# Altium PCB Freezer_Power.PcbDoc (part 2 of 3)
Units mm, origin at the board's own origin, x right, y up, seen from the top; angles counter-clockwise.
Board outline 105 x 115 mm, 6 copper layers (Top Layer, Layer 1, Layer 2, Layer 3, Layer 4, Bottom Layer), stack 1.611 mm thick; 312 components, 161 nets, 807 pads, 469 vias.
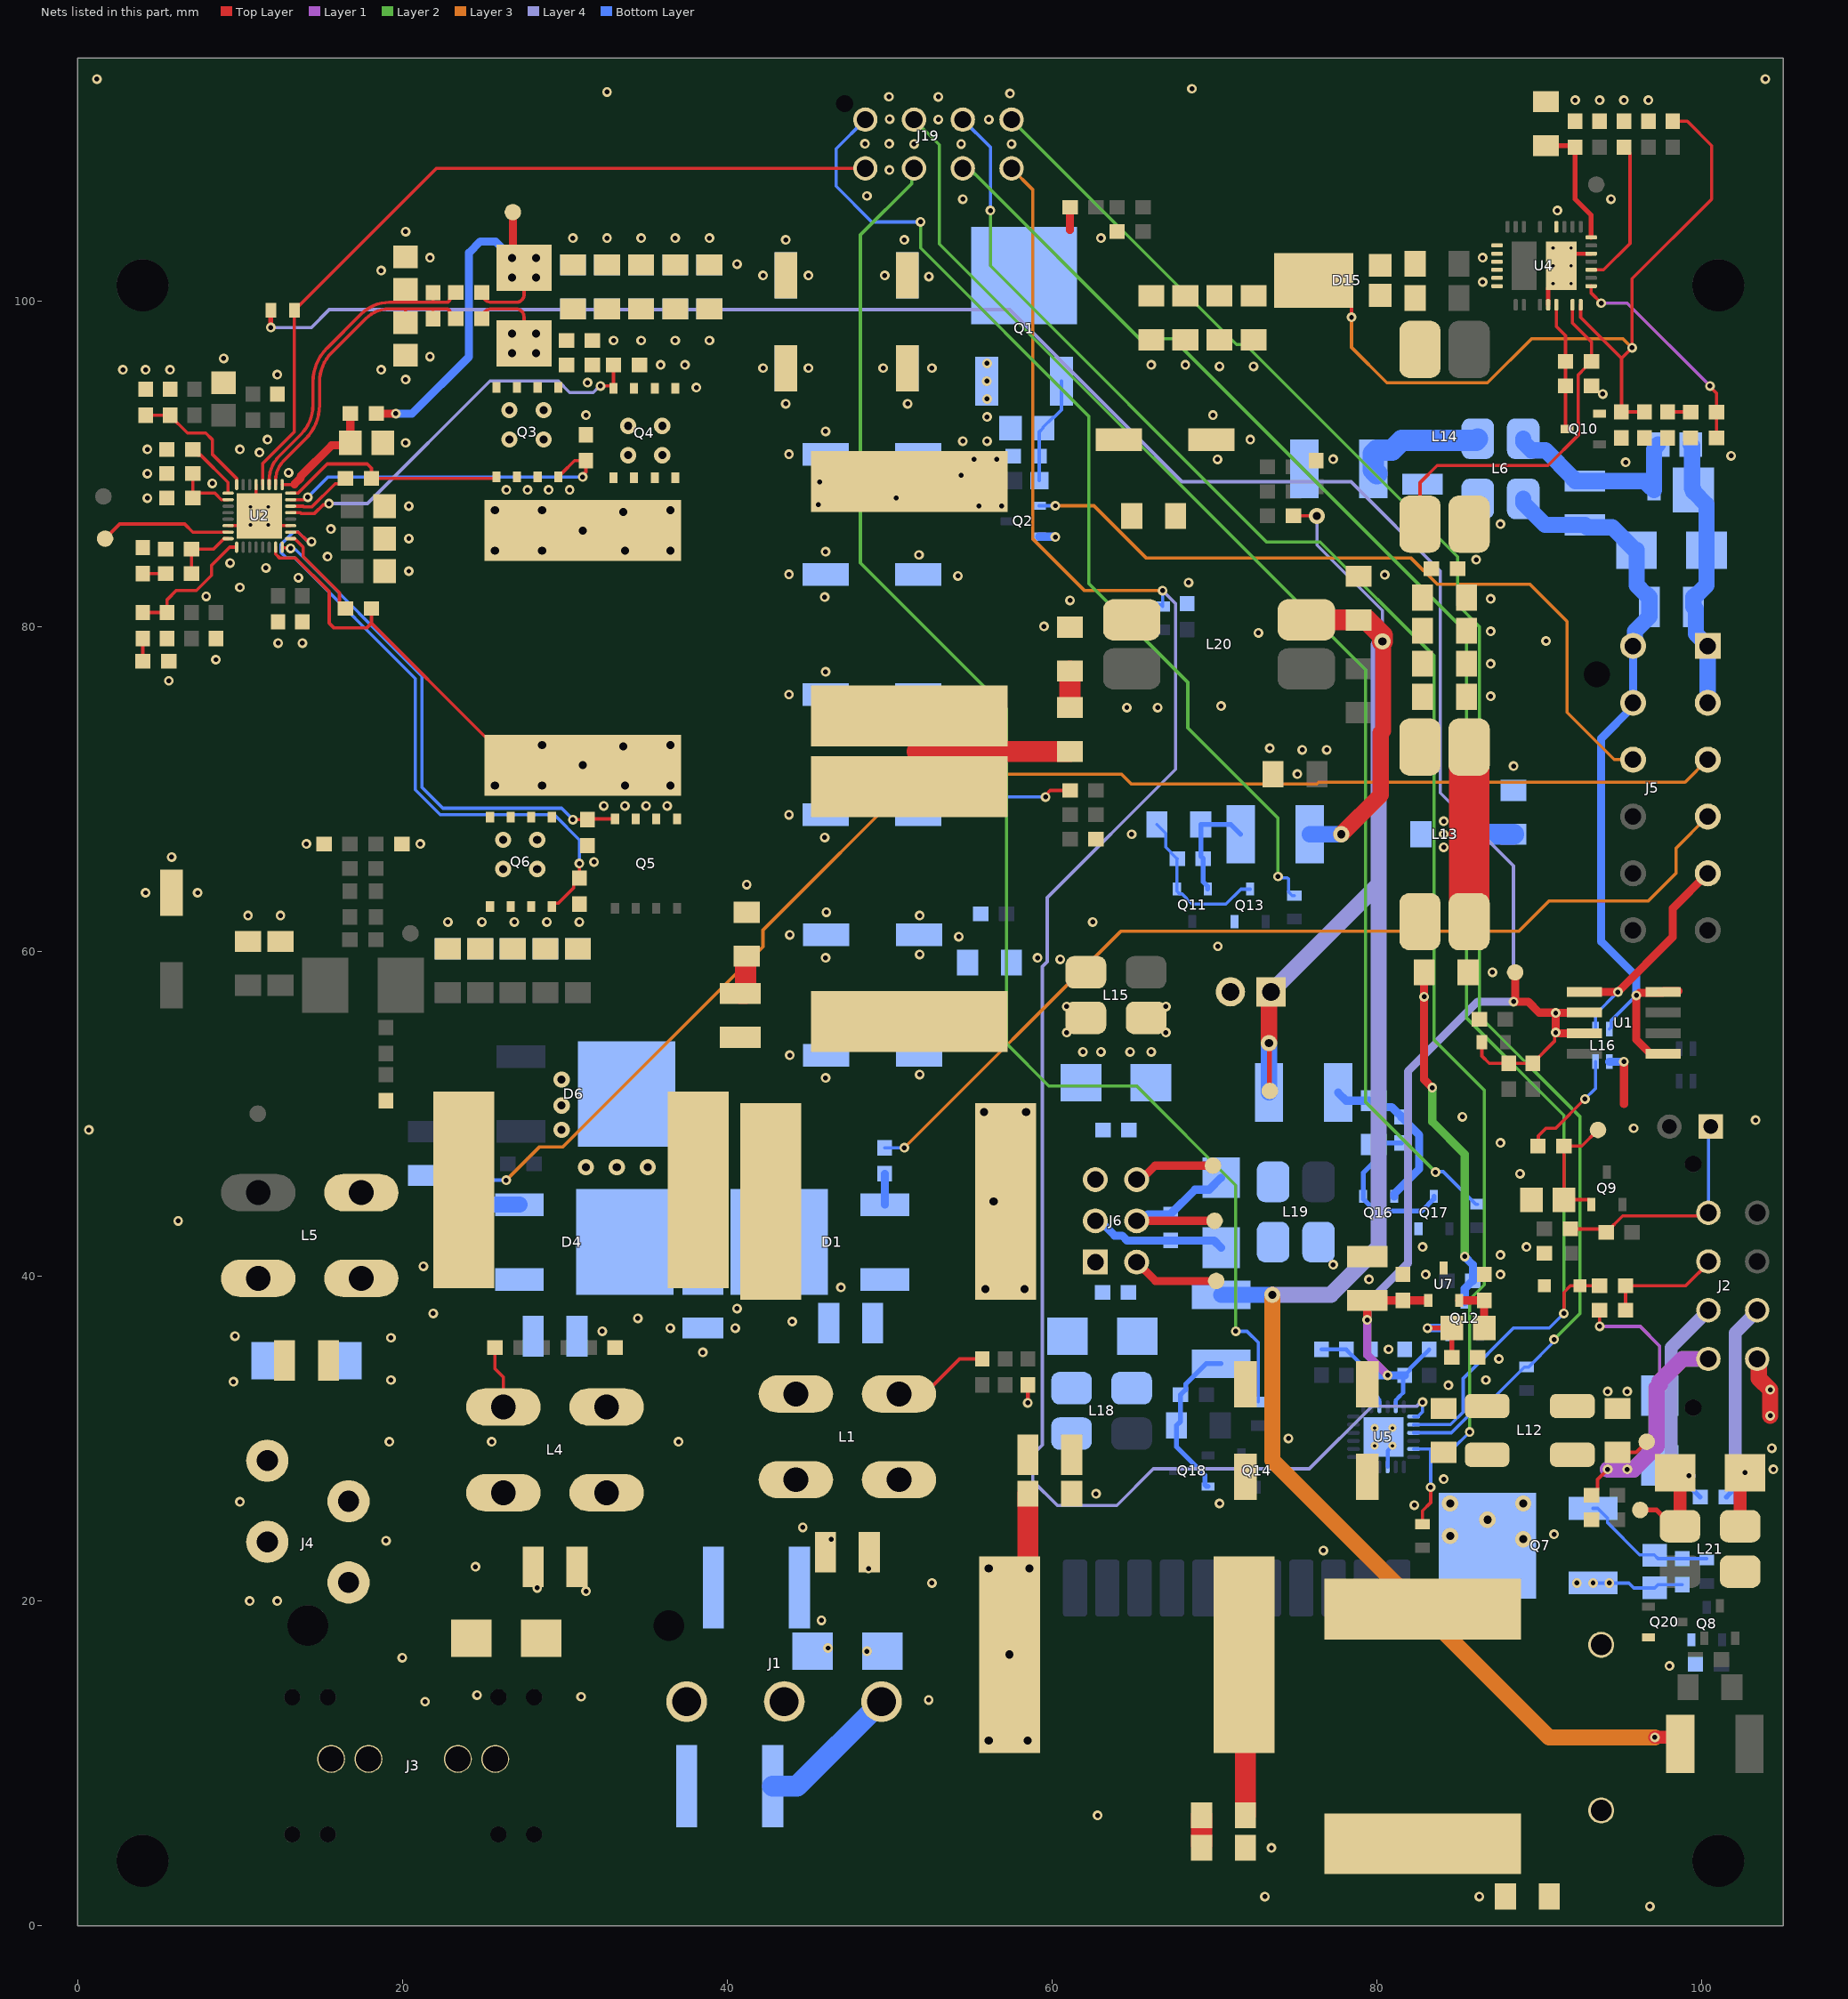
[diagram p6: the nets of this part, all layers, seen from the top]

## Part data
C1 C2 C7 C8 C9 C10 C11 C12 C14 C18 C19 C20 C121: library part NS00779, "MLCC 10UF 100V X7S 1210", Supplier Part Number 1=1276-CL32Y106KCVZNWECT-ND, Alternatives=Generic, Part Number=NS00779, Supplier 1=Digi-Key, Type=C
C3 C4 C5 C6 C15 C23 C24 C25 C66 C81 C82 C92 C129 C130: library part NS00911, "CAP ALUM 100UF 20% 35V SMD", Supplier Part Number 1=PCE5051CT-ND, Alternatives=Generic, Part Number=NS00911, Supplier 1=Digi-Key, Type=C
C13 C26 C27 C28 C29 C30 C31 C32 C33 C34 C35 C36 C37 C48 C49 C50 C51 C52 C53 C54 C55 C56 C57 C67 C68 C83 C84 C85 C86 C87 C91 C93 C94 C95 C96 C97 C98 C99 C100 C101 C102 C103 C108 C127 C128 C131: library part NS00832, "CAP CER 10UF 50V X7R 1206", Supplier Part Number 1=1276-6767-1-ND, Alternatives=Generic, Part Number=NS00832, Supplier 1=Digi-Key, Type=C
C16 C17: library part NS00768, "CAP CER 4700PF 250VAC X7R 2220", Supplier Part Number 1=2873-SCC2220X472K502TGCT-ND, Alternatives=Generic, Part Number=NS00768, Supplier 1=Digi-Key, Type=C
C21 C22 C123: library part Cap, "CAP CER 10UF 50V X7R 1206", Part Number=NS00832, Supplier Part Number 1=1276-6767-1-ND, Alternatives=Generic, Supplier 1=Digi-Key, Type=C
C38 C43 C44 C45 C59 C63 C88: library part NS00871, "CAP CER 1UF 50V X7R 0805", Supplier Part Number 1=1276-6470-1-ND, Alternatives=Generic, Part Number=NS00871, Supplier 1=Digi-Key, Type=C
C39 C46 C60 C75 C104 C105 C107 C109: library part NS00848, "CAP CER 10000PF 100V C0G 0603", Supplier Part Number 1=445-172665-1-ND, Alternatives=Generic, Part Number=NS00848, Supplier 1=Digi-Key, Type=C
C40 C47: library part NS00847, "CAP CER 1000PF 100V C0G/NP0 0603", Supplier Part Number 1=732-12187-1-ND, Alternatives=Generic, Part Number=NS00847, Supplier 1=Digi-Key, Type=C
C41 C42 C58 C61 C71 C72 C110: library part NS00840, "CAP CER 100PF 50V C0G/NP0 0603", Supplier Part Number 1=478-1175-1-ND, Alternatives=Generic, Part Number=NS00840, Supplier 1=Digi-Key, Type=C
C62 C111 C113 C114 C118 C119 C120 C132: library part NS00838, "CAP CER 0.1UF 50V X7R 0603", Supplier Part Number 1=1276-1935-1-ND, Alternatives=Generic, Part Number=NS00838, Supplier 1=Digi-Key, Type=C
C64 C65: library part NS00800, "CAP CER 0.033UF 100V C0G 0805", Supplier Part Number 1=445-172691-1-ND, Alternatives=Generic, Part Number=NS00800, Supplier 1=Digi-Key, Type=C
C69 C70: library part NS00804, "CAP CER 0.047UF 50V X7R 0603", Supplier Part Number 1=1276-1063-1-ND, Alternatives=Generic, Part Number=NS00804, Supplier 1=Digi-Key, Type=C
C73 C74 C76: library part NS00895, "CAP CER 0.068UF 50V X7R 0603", Supplier Part Number 1=1276-6541-1-ND, Alternatives=Generic, Part Number=NS00895, Supplier 1=Digi-Key, Type=C
C77: library part NS00931, "CAP CER 33PF 100V C0G/NP0 0603", Supplier Part Number 1=399-15919-1-ND, Alternatives=Generic, Part Number=NS00931, Supplier 1=Digi-Key, Type=C
C78: library part NS00932, "CAP CER 15PF 100V C0G/NP0 0603", Supplier Part Number 1=1276-CL10C150JC81PNCCT-ND, Alternatives=Generic, Part Number=NS00932, Supplier 1=Digi-Key, Type=C
C79: library part NS00933, "CAP CER 680PF 100V C0G 0603", Supplier Part Number 1=445-5734-1-ND, Alternatives=Generic, Part Number=NS00933, Supplier 1=Digi-Key, Type=C
C80: library part NS00930, "CAP CER 4700PF 100V C0G 0603", Supplier Part Number 1=445-172684-1-ND, Alternatives=Generic, Part Number=NS00930, Supplier 1=Digi-Key, Type=C
C89 C122 C124: library part Cap, "CAP CER 0.1UF 50V X7R 0603", Part Number=NS00838, Supplier Part Number 1=1276-1935-1-ND, Alternatives=Generic, Supplier 1=Digi-Key, Type=C
C90: library part NS00353, "0.10µF ±10% 50V Ceramic Capacitor X7R 0805 (2012 Metric)", Supplier Part Number 1=478-1395-1-ND, Alternatives=Generic, Part Number=NS00353, Supplier 1=Digi-Key, Type=C
C106: library part NS00836, "CAP CER 1UF 25V X7R 0603", Supplier Part Number 1=1276-1184-1-ND, Alternatives=Generic, Part Number=NS00836, Supplier 1=Digi-Key, Type=C
D1 D4 D6: library part NS00785, "DIODE SCHOTTKY 100V 30A TO252", Supplier Part Number 1=SDT30B100D1-13DICT-ND, ComponentLink1Description=Datasheet, ComponentLink1URL=H:\Doc\Diodes\SDT30B100D1.pdf, Part Number=NS00785, Supplier 1=Digi-Key, Type=Diode
D2 D5 D7 D8: library part NS00890, "TVS DIODE 28VWM 45.4VC SMB", Supplier Part Number 1=SMBJ28CAQ-13-FDICT-ND, ComponentLink1Description=Datasheet, ComponentLink1URL=H:\Doc\Diodes\SMBJ6.5CAQ-SMBJ100CAQ.pdf, Part Number=NS00890, Supplier 1=Digi-Key, Type=Diode
D3 D9 D11 D12 D13 D24 D25 D26: library part NS00945, "LED RED CLEAR 1608 SMD", Supplier Part Number 1=3147-B1911USD-20D000114U1930CT-ND, ComponentLink1Description=Datasheet, ComponentLink1URL=H:\Doc\Harvatek\B1911USD-20D000114U1930.pdf, Part Number=NS00945, Supplier 1=Digi-Key, Type=IC
D10 D27: library part NS00891, "TVS DIODE 28VWM 45.4VC SMB", Supplier Part Number 1=SMBJ28A-FDICT-ND, ComponentLink1Description=Datasheet, ComponentLink1URL=H:\Doc\Diodes\ds19002-2.pdf, Part Number=NS00891, Supplier 1=Digi-Key, Type=Diode
D14: library part NS00914, "DIODE ZENER 3V 300MW SOD323", Supplier Part Number 1=MM3Z3V0ST1GOSCT-ND, ComponentLink1Description=Datasheet, ComponentLink1URL=H:\Doc\ONsemi\MM3Z2V4ST1-D.PDF, Part Number=NS00914, Supplier 1=Digi-Key, Type=Diode
D15: library part NS00833, "DIODE SBR 50V 10A POWERDI5", Supplier Part Number 1=SBR10E45P5-7DICT-ND, ComponentLink1Description=Datasheet, ComponentLink1URL=H:\Doc\Diodes\SBRT10U50SP5.pdf, Part Number=NS00833, Supplier 1=Digi-Key, Type=Diode
D17 D18 D19: library part DiodeZener, "TVS DIODE 28VWM 45.4VC SMB", Part Number=NS00891, Supplier Part Number 1=SMBJ28A-FDICT-ND, ComponentLink1Description=Datasheet, ComponentLink1URL=H:\Doc\Diodes\ds19002-2.pdf, Supplier 1=Digi-Key, Type=Diode
D20: library part NS00857, "SCHOTTKY RECTIFIER 3A 100V SMP", Supplier Part Number 1=112-V3PM10-M3/HCT-ND, ComponentLink1Description=Datasheet, ComponentLink1URL=H:\Doc\Vishay\v3pm10.pdf, Part Number=NS00857, Supplier 1=Digi-Key, Type=Diode
F1: library part NS00921, "PTC RESET FUSE 32V 10A RADIAL", Supplier Part Number 1=507-0ZRS1000FF1A-ND, Alternatives=Generic, Part Number=NS00921, Supplier 1=Digi-Key, Type=Fuse
F2: library part NS00949, "PTC RESET FUSE 33V 750MA 1812", Supplier Part Number 1=283-3153-1-ND, Alternatives=Generic, Part Number=NS00949, Supplier 1=Digi-Key, Type=Fuse
F3 F4 F5: library part Fuse, "PTC RESET FUSE 24V 1.5A 1812", Part Number=NS00950, Supplier Part Number 1=507-1773-1-ND, Alternatives=Generic, Supplier 1=Digi-Key, Type=Fuse
F6: library part NS00950, "PTC RESET FUSE 24V 1.5A 1812", Supplier Part Number 1=507-1773-1-ND, Alternatives=Generic, Part Number=NS00950, Supplier 1=Digi-Key, Type=Fuse
FB1: library part NS00881, "WE-CBA SMT EMI SUPPRESSION FERRITE", Supplier Part Number 1=732-782853162CT-ND, ComponentLink1Description=Datasheet, ComponentLink1URL=H:\Doc\Wurth\782853162.pdf, Part Number=NS00881, Supplier 1=Digi-Key, Type=Inductor
J1: library part NS00900, "CONN HEADER VERT 3POS 6MM", Supplier Part Number 1=A120938-ND, ComponentLink1Description="Product Spec", ComponentLink1URL=H:\Doc\Tyco\ENG_SS_108-32090_E.pdf, ComponentLink2Description="Application Spec", ComponentLink2URL=H:\Doc\Tyco\ENG_SS_114-32136_D.pdf, ComponentLink3Description=Drawing, ComponentLink3URL=H:\Doc\Tyco\ENG_CD_1969688_C.pdf, Part Number=NS00900, Supplier 1=Digi-Key, Type=Connector
J2: library part "Header 4X2", "Connector Header Through Hole 8 position 0.118\" (3.00mm)", Supplier Part Number 1=WM10684-ND, LatestRevisionDate=17-Jul-2002, LatestRevisionNote="Re-released for DXP Platform.", Publisher="Altium Limited", Supplier 1=Digi-Key
J3: library part NS00791, "CONN HEADER 2POS PCB", Supplier Part Number 1=A105511CT-ND, ComponentLink1Description=Datasheet, ComponentLink1URL=H:\Doc\Tyco\ENG_SS_108-19346_H1.pdf, ComponentLink2Description=Drawing, ComponentLink2URL=H:\Doc\Tyco\ENG_CD_2042274_D.pdf, ComponentLink3Description="Application Specification", ComponentLink3URL=H:\Doc\Tyco\ENG_SS_114-19110_C.pdf, Part Number=NS00791, Supplier 1=Digi-Key, Type=Connector
J4: library part NS00788, "CONN HEADER VERT 2POS 5MM", Supplier Part Number 1=A117216-ND, ComponentLink1Description=Datasheet, ComponentLink1URL=H:\Doc\Tyco\ENG_CD_1971845_B1.pdf, Part Number=NS00788, Supplier 1=Digi-Key, Type=Connector
J5: library part NS00894, "CONN HEADER VERT 12POS 3.5MM", Supplier Part Number 1=WM11767-ND, ComponentLink1Description=Datasheet, ComponentLink1URL=H:\Doc\Molex\1722982212_PCB_HEADERS.pdf, ComponentLink2Description="Application Specification", ComponentLink2URL=H:\Doc\Molex\AS-172323-0001-001.pdf, ComponentLink3Description=Drawing, ComponentLink3URL=H:\Doc\Molex\1722982212_sd.pdf, Part Number=NS00894, Supplier 1=Digi-Key, Type=Connector
J6: library part NS00897, "CONN HEADER VERT 6POS 2.54MM", Supplier Part Number 1=SAM9594-ND, ComponentLink1Description=Datasheet, ComponentLink1URL=H:\Doc\Samtec\100_mini_mate.pdf, ComponentLink2Description=Dimensions, ComponentLink2URL=H:\Doc\Samtec\ipl1.pdf, Part Number=NS00897, Supplier 1=Digi-Key, Type=Connector
J7 J8 J9 J10 J11 J12 J13 J14 J15 J16 J17: library part NS00465, "PAD SOLDER 1.5x3.5MM", Part Number=NS00465, Type=Mechanical
J18: "Header, 2-Pin", Supplier Part Number 1=455-B2B-XH-A-ND, LatestRevisionDate=17-Jul-2002, LatestRevisionNote="Re-released for DXP Platform.", Publisher="Altium Limited", Supplier 1=Digi-Key
J19: library part "Header 4X2", "Header, 4-Pin, Dual row", LatestRevisionDate=17-Jul-2002, LatestRevisionNote="Re-released for DXP Platform.", Publisher="Altium Limited", Supplier 1=Farnell, Supplier Part Number 1=MC-254-08-00-ST-DIP
L1 L4 L5: library part NS00942, "CMC 75A 2LN 100 OHM TH", Supplier Part Number 1=240-2489-ND, ComponentLink1Description=Datasheet, ComponentLink1URL=H:\Doc\Laird\cm5441z101b-10-datasheet.pdf, Part Number=NS00942, Supplier 1=Digi-Key, Type=Inductor
L2 L3 L7 L8 L9 L10 L11: library part NS00854, "FIXED IND 4.7UH 26A 5.5 MOHM SMD", Supplier Part Number 1=SRP1770C-4R7MCT-ND, ComponentLink1Description=Datasheet, ComponentLink1URL=H:\Doc\Bourns\srp1770c.pdf, Part Number=NS00854, Supplier 1=Digi-Key, Type=Inductor
L6 L15 L18 L19 L21: library part CHOKE_COMMON_ALT, "CMC 2A 2LN 1.1K OHM SMD", Part Number=NS00952, Supplier Part Number 1=490-12641-1-ND, ComponentLink1Description=Datasheet, ComponentLink1URL=H:\Doc\Murata\EFLC0026.pdf, Supplier 1=Digi-Key, Type=Inductor
L12: library part NS00944, "CMC 1.8UH 9A 2LN 140 OHM SMD553-4125-1-ND", Supplier Part Number 1=553-4125-1-ND, ComponentLink1Description=Datasheet, ComponentLink1URL=H:\Doc\Eaton\datasheet_p850_1608182804.pdf, Part Number=NS00944, Supplier 1=Digi-Key, Type=Inductor
L13 L14 L20: library part NS00831, "INDUCT ARRAY 2 COIL 6.6UH SMD", Supplier Part Number 1=553-3631-ND, ComponentLink1Description=Datasheet, ComponentLink1URL=H:\Doc\pulse\SPM2007_28.pdf, Part Number=NS00831, Supplier 1=Digi-Key, Type=Inductor
L16 L17: library part NS00042, "INDUCTOR COMMON MODE 90 OHM 25%", Supplier Part Number 1=SRF2012-900YATR-ND, ComponentLink1Description=Datasheet, ComponentLink1URL=H:\Doc\Bourns\SRF2012A.pdf, Part Number=NS00042, Supplier 1=Digi-Key, Type=Inductor
P1: "Header, 2-Pin", LatestRevisionDate=17-Jul-2002, LatestRevisionNote="Re-released for DXP Platform.", Publisher="Altium Limited"
Q1 Q7: library part NS00810, "P-CHANNEL MOSFET, DPAK", Supplier Part Number 1=353-MCU45P03A-TPCT-ND, ComponentLink1Description=Datasheet, ComponentLink1URL=H:\Doc\MicroCommercial\MCU45P03A(DPAK).pdf, Part Number=NS00810, Supplier 1=Digi-Key, Type=IC
Q2 Q8 Q9 Q10 Q20: library part NS00873, "MOSFET N-CH 60V 210MA SOT23", Supplier Part Number 1=DMN67D8L-7DICT-ND, ComponentLink1Description=Datasheet, ComponentLink1URL=H:\Doc\Diodes\DMN67D8L.pdf, LatestRevisionDate=17-Jul-2002, LatestRevisionNote="Re-released for DXP Platform.", PackageReference=E3, PackageVersion=1995/1996, Part Number=NS00873, Published=8-Jun-2000, Publisher="Altium Limited", Supplier 1=Digi-Key, Type=IC
Q3 Q4 Q5 Q6: library part NS00856, "N-CH MOSFET 100V 71A 8-PowerTDFN", Supplier Part Number 1=3141-GT52N10D5CT-ND, ComponentLink1Description=Datasheet, ComponentLink1URL="H:\Doc\Goford\GOFORD GT52N10D5.pdf", LatestRevisionDate=17-Jul-2002, LatestRevisionNote="Re-released for DXP Platform.", PackageReference=E3, PackageVersion=1995/1996, Part Number=NS00856, Published=8-Jun-2000, Publisher="Altium Limited", Supplier 1=Digi-Key, Type=IC
Q11 Q16 Q18: library part FET_P_GSD, "MOSFET P-CH 30V 4.3A SOT23", Part Number=NS00910, Supplier Part Number 1=DMP3056L-7DICT-ND, ComponentLink1Description=Datasheet, ComponentLink1URL=H:\Doc\Diodes\DMP3056L.pdf, Supplier 1=Digi-Key, Type=IC
Q12: library part NS00810, "P-CHANNEL MOSFET", Supplier Part Number 1=353-MCU45P03A-TPCT-ND, ComponentLink1Description=Datasheet, ComponentLink1URL=H:\Doc\MicroCommercial\MCU45P03A(DPAK).pdf, Part Number=NS00810, Supplier 1=Digi-Key, Type=IC
Q13 Q14 Q17: library part FET_N_GSD, "MOSFET N-CH 60V 210MA SOT23", Part Number=NS00873, Supplier Part Number 1=DMN67D8L-7DICT-ND, ComponentLink1Description=Datasheet, ComponentLink1URL=H:\Doc\Diodes\DMN67D8L.pdf, LatestRevisionDate=17-Jul-2002, LatestRevisionNote="Re-released for DXP Platform.", PackageReference=E3, PackageVersion=1995/1996, Published=8-Jun-2000, Publisher="Altium Limited", Supplier 1=Digi-Key, Type=IC
Q19: library part NS00910, "MOSFET P-CH 30V 4.3A SOT23", Supplier Part Number 1=DMP3056L-7DICT-ND, ComponentLink1Description=Datasheet, ComponentLink1URL=H:\Doc\Diodes\DMP3056L.pdf, Part Number=NS00910, Supplier 1=Digi-Key, Type=IC
R1 R2 R18 R20 R62 R63 R82 R91 R92 R93 R94: library part NS00882, "RES 1K OHM 1% 1/10W 0603", Supplier Part Number 1=RMCF0603FT1K00CT-ND, Alternatives=Generic, Part Number=NS00882, Supplier 1=Digi-Key, Type=R
R3 R21 R40 R65 R90: library part NS00946, "RES 2 OHM 1% 1/4W 1206", Supplier Part Number 1=738-RMCF1206FT2R00CT-ND, Alternatives=Generic, Part Number=NS00946, Supplier 1=Digi-Key, Type=R
R4 R7 R10 R11 R12 R13 R14 R15 R43 R44 R48 R49 R69 R78 R79 R95 R97: library part NS00820, "RES 10K OHM 1% 1/10W 0603", Supplier Part Number 1=RMCF0603FT10K0CT-ND, Alternatives=Generic, Part Number=NS00820, Supplier 1=Digi-Key, Type=R
R5: library part NS00258, "RES SMD 0.0 OHM JUMPER 1/2W 0805", Supplier Part Number 1=36-5106CT-ND, Part Number=NS00258, Supplier 1=Digi-Key, Type=R
R6 R9 R16 R41 R42 R45 R47 R52: library part CMP-1012-00284-2, "Thick Film Chip Resistors 0603 10Ω 0.1W 1% 100ppm/°C", Case Code (Imperial)=0603, Case Code (Metric)=1608, Max Operating Temperature=155°C, Max Power Dissipation=100mW, Min Operating Temperature=-55°C, Package Quantity=1, Resistance=10R, Temperature Coefficient=100ppm/°C, Tolerance=1%, Voltage Rating=50V, Case/Package=0603, Composition="Thick Film", Contact Plating=Tin, Depth=0.8mm, Features="Moisture Resistant", Height=0.45mm, Length=1.6mm, Military Standard=Not, Mount="Surface Mount", Number of Pins=2, Number of Terminations=2, Packaging="Tape and Reel", Power Rating=100mW, Radiation Hardening=No, REACH SVHC="No SVHC", Termination=SMD/SMT, Thickness=457um, Voltage Rating (DC)=50V, Width=0.8mm
R8 R51: library part CMP-05422-000096-1, "RES SMD 330 OHM 5% 1/4W 0603", Case Code (Imperial)=0603, Case Code (Metric)=1608, Max Operating Temperature=155°C, Max Power Dissipation=250mW, Min Operating Temperature=-55°C, Resistance=330R, Resistor Type="Thick Film", Temperature Coefficient=200ppm/°C, Tolerance=5%, Case/Package=0603, Features="Automotive AEC-Q200", Height=0.018inch, Length=0.063inch, Number of Terminations=2, Packaging="Cut Tape", Width=0.031inch
R17 R46 R50: library part RESISTOR, "RES 10K OHM 1% 1/10W 0603", Part Number=NS00820, Supplier Part Number 1=RMCF0603FT10K0CT-ND, Alternatives=Generic, Supplier 1=Digi-Key, Type=R
R19 R29 R39 R67: library part NS00835, "RES 100K OHM 1% 1/10W 0603", Supplier Part Number 1=RMCF0603FT100KCT-ND, Alternatives=Generic, Part Number=NS00835, Supplier 1=Digi-Key, Type=R
R22: library part CMP-2000-03436-2, "RES Thick Film, 50Ω, 1%, 0.1W, 100ppm/°C, 0603", Case Code (Imperial)=0603, Case Code (Metric)=1608, Max Operating Temperature=155°C, Min Operating Temperature=-55°C, Package Quantity=5000, Power Rating=100mW, Resistance=50R, Temperature Coefficient=100ppm/°C, Tolerance=1%, Voltage Rating=75V, Case/Package=0603, Composition="Thick Film", Contact Plating=Tin, Depth=0.85mm, Height=0.45mm, Lead Free="Lead Free", Length=1.55mm, Military Standard=Not, Mount="Surface Mount", Number of Pins=2, Packaging="Tape and Reel", Radiation Hardening=No, REACH SVHC="No SVHC", Termination=SMD/SMT, Voltage Rating (DC)=75V, Weight=7.1E-05oz, Width=0.85mm
R23 R28: library part NS00798, "RES 0.005 OHM 1% 3W 2512", Supplier Part Number 1=CRE2512-FZ-R005E-3CT-ND, Alternatives=Generic, Part Number=NS00798, Supplier 1=Digi-Key, Type=R
R24: library part NS00811, "RES 1 OHM 1% 1/10W 0603", Supplier Part Number 1=RMCF0603FT1R00CT-ND, Alternatives=Generic, Part Number=NS00811, Supplier 1=Digi-Key, Type=R
R25 R26: library part NS00799, "RES 4.99 OHM 1% 1/10W 0603", Supplier Part Number 1=RMCF0603FT4R99CT-ND, Alternatives=Generic, Part Number=NS00799, Supplier 1=Digi-Key, Type=R
R27 R34 R35: library part NS00796, "RES 10 OHM 1% 1/10W 0603", Supplier Part Number 1=1292-WR06X10R0FTLCT-ND, Alternatives=Generic, Part Number=NS00796, Supplier 1=Digi-Key, Type=R
R30 R31 R64: library part NS00837, "RES 300K OHM 1% 1/10W 0603", Supplier Part Number 1=RMCF0603FT300KCT-ND, Alternatives=Generic, Part Number=NS00837, Supplier 1=Digi-Key, Type=R
R32: library part NS00915, "RES SMD 220K OHM 1% 1/10W 0603", Supplier Part Number 1=YAG3579CT-ND, Alternatives=Generic, Part Number=NS00915, Supplier 1=Digi-Key, Type=R
R33: library part NS00821, "RES 191K OHM 1% 1/10W 0603", Supplier Part Number 1=RMCF0603FT191KCT-ND, Alternatives=Generic, Part Number=NS00821, Supplier 1=Digi-Key, Type=R
R36: library part NS00823, "RES 26.7K OHM 1% 1/10W 0603", Supplier Part Number 1=RMCF0603FT26K7, Alternatives=Generic, Part Number=NS00823, Supplier 1=Digi-Key, Type=R
R37 R68: library part NS00834, "RES 15K OHM 1% 1/10W 0603", Supplier Part Number 1=1292-WR06X1502FTLCT-ND, Alternatives=Generic, Part Number=NS00834, Supplier 1=Digi-Key, Type=R
R38: library part NS00822, "RES 42.2K OHM 1% 1/10W 0603", Supplier Part Number 1=RMCF0603FT42K2, Alternatives=Generic, Part Number=NS00822, Supplier 1=Digi-Key, Type=R
R53: library part NS00876, "RES 0 OHM JUMPER 1/10W 0603", Supplier Part Number 1=RMCF0603ZT0R00CT-ND, Alternatives=Generic, Part Number=NS00876, Supplier 1=Digi-Key, Type=R
R57: library part NS00951, "RES 1.5K OHM 1% 1/10W 0603", Supplier Part Number 1=311-1.50KHRTR-ND, Alternatives=Generic, Part Number=NS00951, Supplier 1=Digi-Key, Type=R
R59: library part NS00915, "RES SMD 100K OHM 1% 1/10W 0603", Supplier Part Number 1=YAG3579CT-ND, Alternatives=Generic, Part Number=NS00915, Supplier 1=Digi-Key, Type=R
R60: library part NS00876, "RES 300kOHM JUMPER 1/10W 0603", Supplier Part Number 1=RMCF0603ZT0R00CT-ND, Alternatives=Generic, Part Number=NS00876, Supplier 1=Digi-Key, Type=R
R61: library part NS00870, "RES 100 OHM 1% 1/10W 0603", Supplier Part Number 1=RMCF0603FT100RCT-ND, Alternatives=Generic, Part Number=NS00870, Supplier 1=Digi-Key, Type=R
R66: library part NS00826, "RES 48.7K OHM 1% 1/10W 0603", Supplier Part Number 1=RMCF0603FT48K7CT-ND, Alternatives=Generic, Part Number=NS00826, Supplier 1=Digi-Key, Type=R
R70: library part NS00839, "RES 7.15K OHM 1% 1/10W 0603", Supplier Part Number 1=RMCF0603FT7K15CT-ND, Alternatives=Generic, Part Number=NS00839, Supplier 1=Digi-Key, Type=R
TP1 TP2 TP3 TP4 TP5 TP6 TP7 TP8 TP9 TP10 TP11 TP12 TP13 TP14 TP15: "Test Point 0.3mm", ComponentLink1Description=Datasheet, PartType=Mechanical
U1: library part NS00913, "TVS DIODE 5VWM 20VC 8-SOP", Supplier Part Number 1=283-STSP84050U800CT-ND, ComponentLink1Description=Datasheet, ComponentLink1URL=H:\Doc\Eaton\eaton-stsp84xxxxxx-tvs-diode-array-esd-suppressor-data-sheet.pdf, Part Number=NS00913, Supplier 1=Digi-Key, Type=IC
U2: library part NS00795, "I2C 1-5 CELL NVDC BUCK-BOOST BAT", Supplier Part Number 1=296-BQ25731RSNRCT-ND, ComponentLink1Description=Datasheet, ComponentLink1URL=H:\Doc\TI\bq25731.pdf, ComponentLink2Description="Application Notes", ComponentLink2URL=H:\Doc\TI\sluucb9a.pdf, Part Number=NS00795, Supplier 1=Digi-Key, Type=IC
U4: library part NS00829, "IC REG MULTI CONFG ADJ 6A 36QFN", Supplier Part Number 1=505-LT3959IUHE#PBF-ND, ComponentLink1Description=Datasheet, ComponentLink1URL=H:\Doc\Linear_Technologies\3959fa.pdf, Part Number=NS00829, Supplier 1=Digi-Key, Type=IC